# Allegro board BeagleBoard-X15_RevA2.brd (continued)
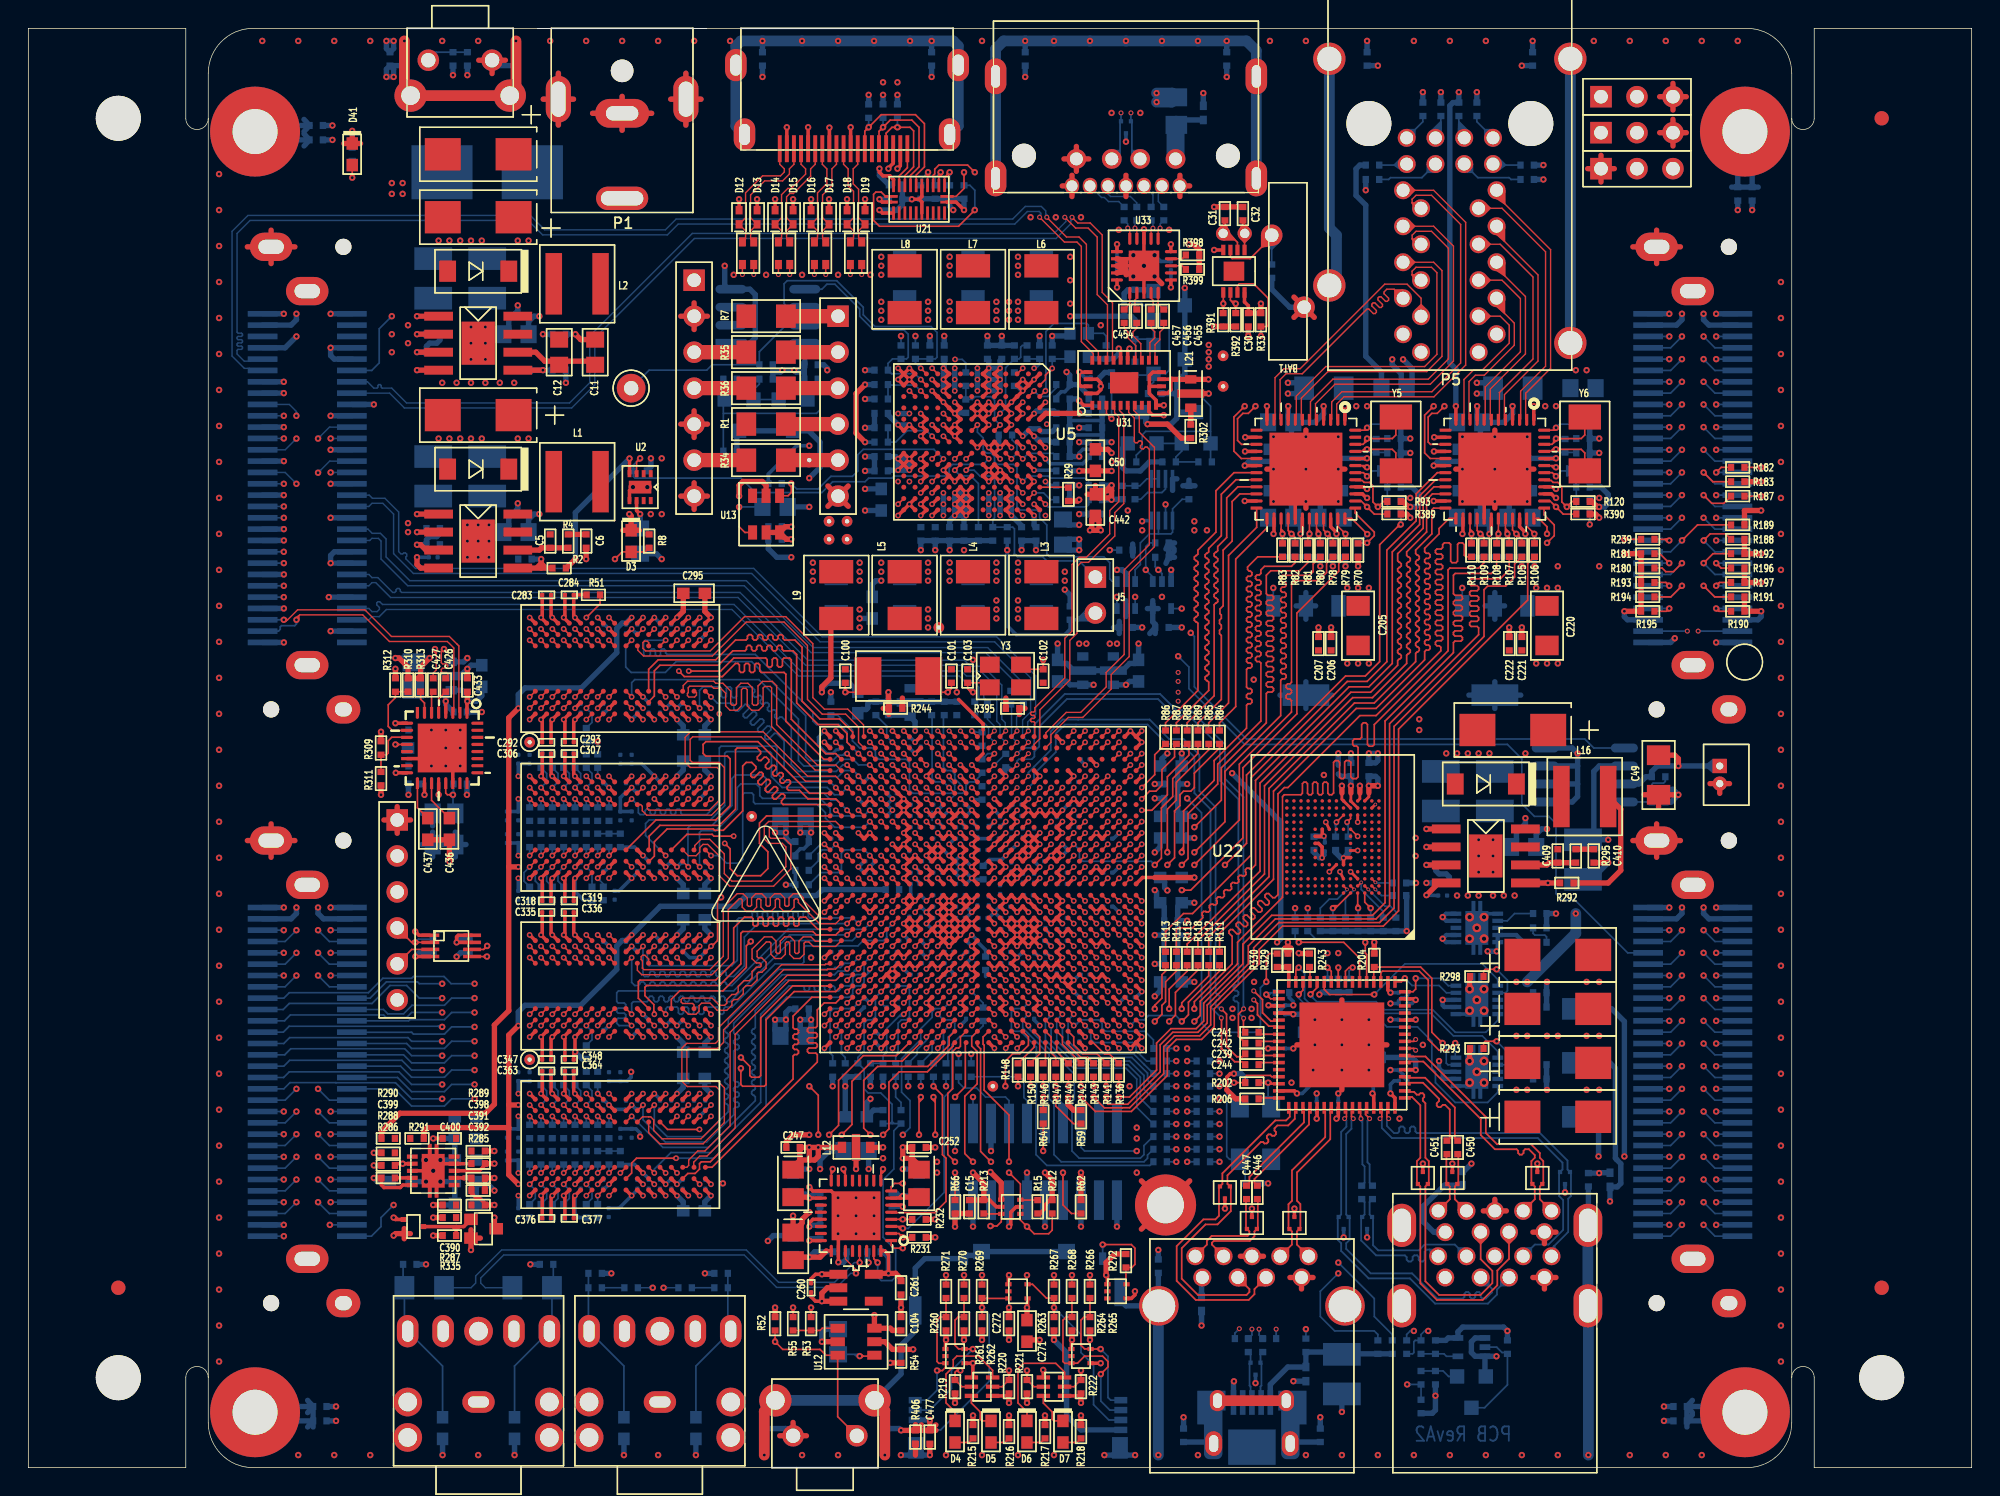
[diagram p0: board, top side]
## Routing (per net, layer and track width the routed paths; a pad name or vN(x,y) marks a point on that pad's centre or on a via; arc(x,y) is an arc through that point) (continued)
  SIG_L5 w0.094: v2(116.71,37.94) 117.57,37.08 119.38,37.08 120.14,36.32 120.14,17.02 119.38,16.26 112.14,16.26 106.81,10.92 103,10.92 98.93,6.86 77.85,6.86 77.09,6.1 55.5,6.1 v2(52.7,8.89)
  BOTTOM w0.12: P18.34 115.91,37.14 v2(116.71,37.94)
RHDMI_TX0+: length 39.1
  TOP w0.102: FL3.4 v3(55.48,84.22)
  TOP w0.12: U11.AH17 v3(64.99,52.01)
  INT_L3 w0.094: v3(64.99,52.01) 64.99,53.5 59.42,59.07 59.42,78.25 59.26,78.41 59.15,78.41 59.01,78.27 58.89,78.27 58.81,78.35 58.81,78.47 58.95,78.61 58.95,78.72 58.86,78.8 58.75,78.8 58.61,78.67 58.49,78.67 58.41,78.75 58.41,78.87 58.55,79 58.55,79.12 57.93,79.74 56.86,79.74 55.68,80.91 55.68,84.02 v3(55.48,84.22)
RHDMI_TX0-: length 39
  TOP w0.102: FL3.1 v3(56.28,84.22)
  TOP w0.12: U11.AG17 v3(64.99,51.21)
  INT_L3 w0.094: v3(56.28,84.22) 56.08,84.02 56.08,81.08 57.02,80.14 58.09,80.14 59.82,78.41 59.82,59.24 65.38,53.67 65.38,51.6 v3(64.99,51.21)
RHDMI_TX1+: length 39.8
  TOP w0.102: FL2.4 v3(52.94,84.22)
  TOP w0.12: U11.AH18 v3(64.19,52.01)
  INT_L3 w0.094: v3(64.19,52.01) 64.19,53.11 59.65,57.64 59.07,57.64 54.34,62.37 54.34,76.31 54.86,76.83 54.86,78.36 54.21,79.01 54.21,82.13 54.05,82.29 53.94,82.29 53.83,82.18 53.71,82.18 53.63,82.26 53.63,82.38 53.74,82.49 53.74,82.6 53.66,82.69 53.54,82.69 53.43,82.58 53.31,82.58 53.23,82.66 53.23,82.78 53.34,82.89 53.34,83 53.14,83.2 53.14,84.02 v3(52.94,84.22)
RHDMI_TX1-: length 39.9
  TOP w0.102: FL2.1 v3(53.74,84.22)
  TOP w0.12: U11.AG18 v3(64.19,51.21)
  INT_L3 w0.094: v3(64.19,51.21) 64.59,51.6 64.59,53.27 59.82,58.04 59.24,58.04 54.74,62.54 54.74,76.14 55.26,76.67 55.26,78.52 54.61,79.18 54.61,82.3 53.54,83.36 53.54,84.02 v3(53.74,84.22)
RHDMI_TX2+: length 40.2
  TOP w0.102: FL1.4 v3(50.4,84.22)
  TOP w0.12: U11.AH19 v3(63.39,52.01)
  INT_L3 w0.094: v3(50.4,84.22) 50.6,84.02 50.6,82.44 51.31,81.73 51.31,81.62 51.2,81.51 51.2,81.39 51.28,81.31 51.4,81.31 51.51,81.42 51.62,81.42 51.71,81.33 51.71,81.22 51.6,81.11 51.6,80.99 51.68,80.91 51.8,80.91 51.91,81.02 52.02,81.02 52.18,80.86 52.18,63.08 59.18,56.08 59.87,56.08 63.39,52.56 v3(63.39,52.01)
RHDMI_TX2-: length 40.2
  TOP w0.102: FL1.1 v3(51.2,84.22)
  TOP w0.12: U11.AG19 v3(63.39,51.21)
  INT_L3 w0.094: v3(51.2,84.22) 51,84.02 51,82.6 52.58,81.03 52.58,63.25 59.34,56.48 60.03,56.48 63.78,52.73 63.78,52.01 63.79,52.01 63.79,51.6 v3(63.39,51.21)
RHDMI_TXC+: length 37.6
  TOP w0.102: FL4.4 v3(58.02,84.22)
  TOP w0.12: U11.AH16 v3(65.79,52.01)
  INT_L3 w0.094: v3(65.79,52.01) 65.81,52.03 65.81,54.97 60.56,60.22 60.56,79.46 60.39,79.64 60.27,79.64 60.16,79.53 60.04,79.53 59.96,79.61 59.96,79.73 60.07,79.84 60.07,79.95 59.99,80.04 59.87,80.04 59.76,79.93 59.64,79.93 59.56,80.01 59.56,80.13 59.67,80.24 59.67,80.35 58.22,81.8 58.22,84.01 v3(58.02,84.22)
RHDMI_TXC-: length 37.7
  TOP w0.102: FL4.1 v3(58.82,84.22)
  TOP w0.12: U11.AG16 v3(65.79,51.21)
  INT_L3 w0.094: v3(65.79,51.21) 66.21,51.63 66.21,55.13 60.96,60.38 60.96,79.63 58.62,81.97 58.62,84.02 v3(58.82,84.22)
RIGHT_IN: length 11.2
  BOTTOM w0.12: D11.2 42.04,7.18 P9.3 39.53,9.68 C256.2 R234.1
RIGHT_OUT: length 11.9
  BOTTOM w0.12: D9.2 29.24,7.18 P8.3 26.54,9.87 C251.2 26.45,12.79 R228.1
RSTOUTN: length 288.3
  TOP w0.12: U11.F23 v1(60.19,33.61) ; U18.31 59.67,14.75 v2(59.94,14.48) ; U22.K5 93.33,45.06 v1(93.83,44.57) ; U7.12 v2(25.91,51.05)
  INT_L3 w0.094: v2(25.91,51.05) 25.91,51.82 25.15,52.58 25.15,79.5 v2(25.65,80.01)
  SIG_L5 w0.094: v1(93.83,44.57) 93.07,43.81 89.53,43.81 86.61,40.89 81.92,40.89 81.64,41.17 79.27,41.17 78.92,40.82 78.25,40.82 78.1,40.67 77.6,40.67 77.31,40.39 76.83,40.39 76.61,40.16 76.61,39.85 76.34,39.58 76.03,39.58 75.81,39.36 75.81,39.05 75.54,38.78 75.23,38.78 75.01,38.56 75.01,38.25 74.74,37.98 74.43,37.98 74.21,37.76 74.21,37.49 73.94,37.23 73.68,37.23 73.41,36.96 73.41,36.69 73.14,36.43 72.88,36.43 72.61,36.16 72.61,35.89 72.34,35.63 72.08,35.63 71.81,35.36 71.81,35.09 71.51,34.8 60.82,34.8 60.56,34.54 60.56,34.25 60.19,33.87 v1(60.19,33.61) 59.74,33.16 59.74,31.86 59.44,31.56 58.35,31.56 58.14,31.34 58.14,31.06 57.93,30.85 57.65,30.85 57.4,30.61 57.4,29.97 56.01,28.57 54.23,28.57 51.31,25.65 51.31,20.83 48.13,17.65 34.67,17.65 33.53,18.8 33.53,24.26 33.91,24.64 33.91,30.35 31.62,32.64 27.3,32.64 26.8,32.13 19.56,32.13 17.4,34.29 17.4,41.53 19.81,43.94 19.81,44.95 v2(25.91,51.05)
  SIG_L10 w0.094: v2(25.65,80.01) 27.3,81.66 32.13,81.66 33.4,80.39 58.55,80.39 60.33,78.61 65.02,78.61 v1(65.41,78.23) 65.91,78.74 65.91,80.52 68.07,82.68 73.91,82.68 75.06,81.53 75.06,74.55 75.97,73.64 77.24,73.64 80.26,70.61 v2(80.26,68) ; v1(93.83,44.57) 97.29,44.57 99.19,42.67 103.38,42.67 108.11,37.94 v2(115.82,37.94)
  BOTTOM w0.12: R318.1 66.17,77.98 65.91,78.23 v1(65.41,78.23) ; v1(60.19,33.61) 59.79,33.21 59.79,31.84 59.55,31.61 59.22,31.61 58.99,31.37 58.99,29.4 58.55,28.96 R43.1 58.56,28.54 58.99,28.11 58.99,26.73 59.27,26.45 60.16,26.45 60.96,25.65 60.96,24.29 ; 60.96,24.29 R40.1 61.09,23.78 61.09,21.08 60.33,20.32 60.33,16.26 61.21,15.37 61.21,13.46 60.96,13.21 60.2,13.21 59.94,13.46 v2(59.94,14.48) ; 60.96,24.29 R38.1 ; P18.33 v2(115.82,37.94) ; U34.2 80.26,66.86 v2(80.26,68)
RTC_ISO: length 1.6
  TOP w0.12: U11.AF14 v1(68.19,50.41)
  BOTTOM w0.12: R57.2 67.71,50.41 v1(68.19,50.41)
RTC_X1: length 2.1
  TOP w0.12: C32.1 85.72,87.25 Y1.2 85.84,87.11 U6.1
RTC_X2: length 2.8
  TOP w0.12: U6.2 85.34,86.49 84.71,87.12 Y1.1 84.45,87.25 C31.1
RTCK: length 6.9
  BOTTOM w0.12: 70.48,24.3 70.48,25.91 70.27,26.13 70.27,27.27 69.94,27.59 R63.2
RTCKR: length 6.6
  TOP w0.12: U11.E18 v1(64.19,32.81)
  SIG_L10 w0.094: v1(64.19,32.81) 64.61,32.38 65.9,32.38 66.17,32.12 66.17,30.35 66.55,29.97 v2(66.55,29.21)
  BOTTOM w0.12: R63.1 v2(66.55,29.21)
RXN_MUXC: length 2.9
  TOP w0.102: C456.1 79.25,80.43 79.5,80.18 79.5,79.76 79.17,79.42 79.17,78.24 U31.16
RXP_MUXC: length 2.9
  TOP w0.102: C455.1 80.14,80.43 79.86,80.15 79.86,79.61 79.52,79.27 79.52,78.24 U31.15
SAT_RXN: length 28.6
  TOP w0.102: U31.6 77.66,74.92 77.66,74.49 78.06,74.09 78.06,72.44 78.15,72.35 78.27,72.35 78.4,72.47 78.53,72.47 78.62,72.39 78.62,72.26 78.49,72.13 78.49,72.01 78.58,71.92 78.71,71.92 78.83,72.04 78.96,72.04 79.12,71.88 79.12,65.15 77.34,63.37 77.34,57.4 76.07,56.13 76.07,55.11 74.27,53.31 73.26,53.31 71.82,51.88 71.82,51.64 U11.AH9
SAT_RXP: length 28.6
  TOP w0.102: U31.7 78.02,74.91 78.02,74.63 78.41,74.23 78.41,73.09 79.48,72.03 79.48,65 77.7,63.23 77.7,57.25 76.43,55.98 76.43,54.97 74.42,52.96 73.41,52.96 72.18,51.73 72.18,51.2 U11.AG9
SAT_TXN: length 27.3
  TOP w0.102: 77.09,74.99 77.02,74.92 77.02,74.62 77.32,74.32 77.32,68.05 76.68,67.42 76.68,65.77 74.82,63.91 74.32,63.91 74.02,63.61 74.02,58.9 73.51,58.39 73.51,55.6 71.4,53.49 71.4,51.46 70.99,51.05 U11.AG10
SAT_TXP: length 27.2
  TOP w0.102: U11.AH10 71.04,51.66 71.04,52.59 70.97,52.65 70.81,52.65 70.74,52.72 70.74,52.82 70.81,52.88 70.97,52.88 71.04,52.95 71.04,53.04 70.97,53.11 70.81,53.11 70.74,53.18 70.74,53.27 70.81,53.34 70.97,53.34 71.04,53.41 71.04,53.64 73.15,55.75 73.15,58.54 73.66,59.05 73.66,63.75 74.17,64.26 74.68,64.26 76.33,65.91 76.33,67.56 76.96,68.2 76.96,74.17 76.67,74.47 76.67,74.92 U31.4
SATA_SEL: length 68.6
  TOP w0.12: v2(76.45,74.04) 76.09,74.4 U31.3
  SIG_L10 w0.094: v2(25.65,81.28) 26.16,81.28 27.56,82.68 54.86,82.68 55.25,83.06 74.42,83.06 76.45,81.03 v2(76.45,74.04)
  BOTTOM w0.12: R303.2 v2(76.45,74.04) ; P19.6 24.24,77.45 24.77,77.98 24.77,80.39 v2(25.65,81.28)
SCL_HUB: length 7.3
  TOP w0.12: U17.38 93.96,35.96 92.84,37.08 v2(89.66,37.08)
  BOTTOM w0.12: v2(89.66,37.08) 89.41,37.34 R393.2
SDA_HUB: length 7.2
  TOP w0.12: U17.37 94.46,36.22 94.36,36.32 v2(94.36,37.08)
  BOTTOM w0.12: R394.2 90.84,37.34 94.11,37.34 v2(94.36,37.08)
SERDES_CLKN: length 47
  TOP w0.102: C426.2 29.59,55.85 29.59,56.03 29.49,56.13 29.21,56.13 29.15,56.2 29.15,56.34 29.24,56.43 29.5,56.43 29.59,56.52 29.59,56.65 29.5,56.74 29.24,56.74 29.15,56.82 29.15,57.59 v2(29.34,57.78)
  TOP w0.12: U11.AH15 v1(66.59,52.01)
  SIG_L10 w0.094: v2(29.34,57.78) 29.34,57.78 30.04,57.78 33.11,60.85 49.82,60.85 51.74,58.93 59.31,58.93 64.64,53.59 65.46,53.59 66.59,52.47 v1(66.59,52.01)
  BOTTOM w0.12: R308.1 66.68,51.91 v1(66.59,52.01)
SERDES_CLKP: length 47.1
  TOP w0.102: v2(28.7,57.78) 28.79,57.7 28.79,56.31 28.58,56.09 C427.2
  TOP w0.12: U11.AG15 v1(66.59,51.21)
  SIG_L10 w0.094: v1(66.59,51.21) 66.19,51.6 66.19,52.3 65.3,53.2 64.48,53.2 59.14,58.53 51.58,58.53 49.66,60.45 33.27,60.45 30.2,57.38 29.1,57.38 v2(28.7,57.78)
  BOTTOM w0.12: R308.2 66.83,50.96 v1(66.59,51.21)
SERDES_IN_REFN: length 1.7
  TOP w0.12: C426.1 28.96,54.27 U7.5
SERDES_IN_REFP: length 1.5
  TOP w0.12: C427.1 28.46,54.65 U7.6
SMPS6: length 7.7
  TOP w1.016: R36.1 P2.4
  SIG_L5 w0.381: 46.27,75.48 P2.4 ; P2.4 47.71,76.92 ; P2.4 47.71,75.48 ; P2.4 46.27,76.92
  vias: v2(60.2,85.47) v2(60.2,84.84) v2(60.2,84.2)
SMPS_1_2: length 7.7
  TOP w1.016: R34.1 P2.6
  SIG_L8 w0.381: P2.6 47.71,70.4 ; P2.6 46.27,70.4 ; P2.6 47.71,71.84 ; P2.6 46.27,71.84
  vias: v2(68.33,61.21) v2(68.33,60.58) v2(68.33,59.94) v2(69.85,61.21) v2(69.85,60.58) v2(69.85,59.94)
SMPS_4/5: length 7.7
  TOP w1.016: P2.3 R35.1
  SIG_L8 w0.381: 46.27,79.46 P2.3 ; P2.3 47.71,78.02 ; P2.3 47.71,79.46 ; P2.3 46.27,78.02
  vias: v2(65.02,85.47) v2(65.02,84.84) v2(65.02,84.2) v2(69.85,85.47) v2(69.85,84.84) v2(69.85,84.2)
SS_SUSPEND: length 1.1
  TOP w0.12: U17.45 90.46,35.3 R243.2
SW1: length 1.6
  BOTTOM w0.381: v1(68.59,68.81) v1(68.59,68.01) v1(68.59,67.21)
  vias: v2(69.85,63.88) v2(69.85,63.25) v2(69.85,62.61)
SW2: length 1.6
  BOTTOM w0.381: v1(67.79,67.21) v1(67.79,68.01) v1(67.79,68.81)
  vias: v2(68.33,63.88) v2(68.33,63.25) v2(68.33,62.61)
SW3: length 1.6
  BOTTOM w0.381: v1(64.59,68.81) v1(64.59,68.01) v1(64.59,67.21)
  vias: v2(63.5,63.88) v2(63.5,63.25) v2(63.5,62.61)
SW4: length 1.6
  BOTTOM w0.381: v1(66.99,76.01) v1(66.99,76.81) v1(66.99,77.61)
  vias: v2(69.22,81.66) v2(69.22,81.03) v2(69.85,81.66) v2(69.85,81.03)
SW5: length 1.6
  BOTTOM w0.381: v1(65.39,77.61) v1(65.39,76.81) v1(65.39,76.01)
  vias: v2(65.02,82.3) v2(65.02,81.66) v2(65.02,81.03)
SW6: length 0.8
  BOTTOM w0.381: v1(62.19,74.41) v1(61.39,74.41)
  vias: v2(60.2,82.3) v2(60.2,81.66) v2(60.2,81.03)
SW9:
  vias: v1(61.39,69.61) v1(62.19,69.61) v2(58.67,63.88) v2(58.67,63.25) v2(58.67,62.61)
TCK: length 16
  TOP w0.12: R64.1 v2(71.63,26.16) ; U11.E20 v1(62.59,32.81)
  SIG_L10 w0.094: v2(71.63,26.16) 71.63,26.29 71.23,26.69 71.23,27.45 70.23,28.45 68.33,28.45 66.93,29.84 66.93,31.05 66.94,31.06 66.94,32.96 66.68,33.23 63.25,33.23 62.82,32.81 v1(62.59,32.81)
TCLK: length 3.9
  TOP w0.12: R64.2 v2(71.63,22.35)
  BOTTOM w0.12: v2(71.63,22.35) 71.63,24.17 P4.11
TDI: length 11.9
  TOP w0.12: U11.D23 v1(60.19,32.01)
  SIG_L8 w0.094: v2(66.68,26.16) 64.39,28.45 62.87,28.45 61.41,29.9 61.41,30.54 60.19,31.76 v1(60.19,32.01)
  BOTTOM w0.12: P4.3 v2(66.68,26.16)
TDO: length 6.1
  BOTTOM w0.12: P4.7 69.22,25.91 68.96,26.16 67.56,26.16 66.93,26.8 66.04,26.8 65.66,27.18 R61.2
TDOR: length 6.8
  TOP w0.12: U11.F19 v1(63.39,33.61)
  GND_L9 w0.094: v1(63.39,33.61) 63.76,33.23 63.76,32.63 64.01,32.38 64.39,32.38 64.63,32.14 64.63,30.23 v2(65.66,29.21)
  BOTTOM w0.12: R61.1 v2(65.66,29.21)
TESTV: length 5.2
  TOP w0.12: v1(61.39,68.01) U5.N12
  SIG_L10 w0.094: v1(61.39,68.01) 58.91,65.53 TP9.1
TIMER1: length 71.9
  TOP w0.12: U11.E21 v1(61.79,32.81)
  SIG_L5 w0.094: v1(61.79,32.81) 62.14,32.45 62.14,30.13 61.04,29.03 59.51,29.03 58.04,27.56 54.74,27.56 52.32,25.15 52.32,20.32 48.64,16.64 32.64,16.64 32,17.27 32,24.26 32.92,25.18 32.92,29.31 31.62,30.61 29.72,30.61 v2(29.21,31.11)
  BOTTOM w0.12: P17.42 17.99,30.74 18.42,31.16 29.16,31.16 v2(29.21,31.11)
TIMER2: length 67.1
  TOP w0.12: U11.F20 v1(62.59,33.61)
  SIG_L5 w0.094: v2(31.5,30.1) 32.7,28.89 32.7,25.34 31.75,24.38 31.75,17.14 32.51,16.38 48.77,16.38 52.58,20.19 52.58,25.02 54.86,27.3 58.17,27.3 59.67,28.81 61.58,28.81 62.99,30.23 62.99,33.2 v1(62.59,33.61)
  BOTTOM w0.12: v2(31.5,30.1) 29.88,30.1 29.37,29.59 27.05,29.59 26.7,29.94 P17.13
TIMER3: length 65.4
  TOP w0.12: U11.F21 v1(61.79,33.61)
  SIG_L5 w0.094: v2(31.5,31.11) 33.15,29.46 33.15,25.02 32.26,24.13 32.26,17.4 32.77,16.89 48.51,16.89 52.07,20.45 52.07,25.27 54.61,27.81 57.91,27.81 59.35,29.25 60.33,29.25 60.63,29.56 60.63,30.92 61.34,31.62 61.34,33.16 v1(61.79,33.61)
  BOTTOM w0.12: P17.12 22.84,30.73 27.05,30.73 27.18,30.61 29.37,30.61 29.88,31.11 v2(31.5,31.11)
TMP102_ALERT: length 20.2
  TOP w0.12: R15.2 70.04,18.89 U4.3 70.02,20.03 v2(69.22,20.83) ; U11.G17 v1(64.99,34.41)
  GND_L9 w0.094: v2(69.22,20.83) 68.45,21.59 68.45,25.65 67.56,26.54 67.56,33.27 66.81,34.03 65.36,34.03 v1(64.99,34.41)
TMS: length 15.2
  TOP w0.12: U11.F18 v1(64.19,33.61)
  GND_L9 w0.094: v2(65.41,22.35) 66.17,23.11 66.17,29.84 65.41,30.61 65.41,32.88 65.06,33.23 64.56,33.23 v1(64.19,33.61)
  BOTTOM w0.12: P4.1 v2(65.41,22.35)
TPS_ENABLE1: length 14
  TOP w0.12: U5.J5 v1(64.59,74.41)
  SIG_L10 w0.094: TP7.1 58.29,68.58 59.56,68.58 60.2,69.22 60.2,73.03 61.2,74.03 64.21,74.03 v1(64.59,74.41)
TPS_PWRDOWN: length 9.4
  TOP w0.12: v1(63.79,71.21) U5.K8
  SIG_L10 w0.094: TP8.1 58.93,66.8 60.71,68.58 60.71,70.36 61.18,70.83 63.41,70.83 v1(63.79,71.21)
TPS_RST: length 3.2
  TOP w0.12: U12.1 56.04,9.84 55.88,9.69 R53.1 R55.2
TRSTN: length 16.9
  TOP w0.12: v2(65.41,20.83) R66.1 ; U11.D20 v1(62.59,32.01)
  GND_L9 w0.094: v2(65.41,20.83) 64.64,21.59 64.64,23.88 64.26,24.26 64.26,28.7 63.76,29.2 63.76,31.03 62.78,32.01 v1(62.59,32.01)
  BOTTOM w0.12: P4.2 v2(65.41,20.83)
TX1+: length 10.7
  BOTTOM w0.127: C449.2 94.31,18.75 94.31,17.87 D29.1 94.07,17.63 94.07,16.04 95.12,14.99 97.16,14.99 97.28,14.86 97.28,14.68 97.41,14.55 97.59,14.55 97.7,14.67 97.7,14.87 97.82,14.99 98.02,14.99 98.13,14.87 98.13,14.67 98.25,14.55 98.42,14.55 98.55,14.68 98.55,15.25 98.7,15.39 98.91,15.39 99.38,14.92 P15.9
TX1-: length 10.7
  BOTTOM w0.127: P15.8 100.68,15.75 98.55,15.75 98.15,15.34 95.27,15.34 94.91,15.7 94.91,17.63 D29.2 94.67,17.87 94.67,18.75 C448.2
TX2+: length 4.5
  TOP w0.127: P15.18 100.33,18.95 100.33,19.85 D31.1 100.09,20.09 100.09,22.09 C451.2
TX2-: length 4.5
  TOP w0.127: P15.17 100.68,18.95 100.68,19.85 D31.2 100.92,20.09 100.92,22.09 C450.2
TX+: length 7.2
  TOP w0.127: P13.9 83.18,15.75 83.18,16.02 83.52,16.36 86.06,16.36 86.18,16.48 86.18,16.67 85.94,16.92 85.94,18.92 C447.2
TX-: length 7.2
  TOP w0.127: P13.8 83.54,15.75 83.54,15.87 83.66,16 86.2,16 86.54,16.34 86.54,16.67 86.78,16.92 86.78,18.92 C446.2
TXN_MUXC: length 3
  TOP w0.102: U31.17 78.52,78.24 78.52,79.34 77.97,79.9 77.97,80.17 78.23,80.43 C457.1
TXP_MUXC: length 3
  TOP w0.102: C454.2 77.34,80.43 77.61,80.17 77.61,79.75 78.17,79.19 78.17,78.24 U31.18
U1-1: length 11.4
  TOP w0.381: U1.1 v2(27.43,67.31)
  INT_L3 w0.381: v2(27.43,67.31) 33.78,67.31 v2(34.54,68.07)
  BOTTOM w0.381: C1.2 33.91,66.42 33.91,67.06 34.54,67.69 v2(34.54,68.07)
U1-3: length 4.2
  TOP w0.381: v2(27.43,65.15) 27.69,65.15 28.07,64.77 U1.3
  BOTTOM w0.381: R3.2 29.05,65.94 28.83,65.72 28.32,65.72 28.1,65.5 R6.1 v2(27.43,65.15)
U1-4: length 3
  TOP w0.381: v2(27.43,64.26) 27.43,63.75 27.69,63.5 U1.4
  BOTTOM w0.254: v2(27.43,64.26) C4.1
U1-8: length 1.8
  BOTTOM w0.381: C1.1 35.31,66.93 35.69,67.31 v2(36.07,67.31)
U2-6: length 2.1
  TOP w0.254: U2.6 42.93,67.56 v2(43.18,67.31)
  BOTTOM w0.381: C10.1 v2(43.18,67.31)
U3-1: length 11.4
  TOP w0.381: U3.1 v2(27.43,81.28)
  INT_L3 w0.381: v2(27.43,81.28) 33.78,81.28 v2(34.54,82.04)
  BOTTOM w0.381: C7.2 33.91,80.39 33.91,81.03 34.54,81.66 v2(34.54,82.04)
U3-8: length 1.8
  BOTTOM w0.381: C7.1 35.31,80.9 35.69,81.28 v2(36.07,81.28)
U5_C8: length 3.2
  TOP w0.12: v1(70.19,71.21) U5.C8
  BOTTOM w0.12: C25.2 72.32,71.6 70.58,71.6 v1(70.19,71.21)
U13-4: length 4.2
  TOP w0.12: U13.4 50.57,66.01 50.16,66.42 v2(50.16,67.82)
  BOTTOM w0.12: v2(50.16,67.82) C112.1
U14_41: length 3.9
  TOP w0.12: U14.41 93.7,69.68 94.15,69.68 94.28,69.55 94.66,69.55 94.9,69.31 94.9,68.16 v2(95.25,67.82) 95.63,68.2 R93.1
U15_41: length 3.9
  TOP w0.12: U15.41 107.03,69.68 107.48,69.68 107.62,69.55 107.95,69.55 108.24,69.26 108.24,68.16 v2(108.59,67.82) 108.97,68.2 R120.1
U16_FB: length 4.3
  BOTTOM w0.12: R201.2 107.15,37.47 107.04,37.59 106.32,37.59 106.21,37.71 R203.1 U16.8
U17_A17: length 2.3
  TOP w0.12: U17.40 92.96,35.05 93.22,35.31 v2(93.47,35.31)
  BOTTOM w0.12: v2(93.47,35.31) 93.22,35.05 R207.2
U17_A41: length 1.9
  TOP w0.12: v2(91.69,35.31) 91.96,35.04 U17.42
  BOTTOM w0.12: R209.2 v2(91.69,35.31)
U28_1: length 11.2
  TOP w0.381: U28.1 v2(98.68,45.09)
  SIG_L5 w0.381: v2(98.68,45.09) 99.44,45.85 v2(105.66,45.85)
  BOTTOM w0.381: C401.2 105.03,44.2 105.03,44.83 105.66,45.47 v2(105.66,45.85)
U28_3: length 4
  TOP w0.381: v2(98.68,42.55) U28.3
  BOTTOM w0.381: R294.2 100.3,41.69 100.08,41.91 99.57,41.91 99.35,42.13 R297.1 v2(98.68,42.55)
U28_4: length 2.6
  TOP w0.381: U28.4 99.54,41.27 v2(98.68,40.41)
  BOTTOM w0.254: v2(98.68,40.41) C408.1
U28_6: length 3.6
  TOP w0.381: U28.6 107.19,42.55 107.35,42.71 C409.2 R295.1
U28_8: length 1.8
  BOTTOM w0.381: v2(107.19,45.09) 106.81,45.09 106.43,44.7 C401.1
U28_RC: length 1.3
  TOP w0.381: R295.2 C410.1
U29_7: length 3.9
  TOP w0.12: R293.2 102.71,29.98 102.83,30.1 v2(103.63,30.1)
  BOTTOM w0.12: U29.7 104.26,28.44 104.39,28.57 104.39,29.34 v2(103.63,30.1)
U30_7: length 3.9
  TOP w0.12: R298.1 102.71,35.06 102.83,35.18 v2(103.63,35.18)
  BOTTOM w0.12: v2(103.63,35.18) 104.39,34.42 104.39,33.66 104.26,33.52 U30.7
U31_1V8: length 11.4
  TOP w0.254: U31.26 75.44,76.83 75.69,76.58 v2(75.69,76.33) 75.69,76.08 75.44,75.83 U31.28 ; v2(80.14,74.3) 79.35,74.3 79.09,74.55 U31.9 ; v2(77.72,78.99) 77.59,78.86 U31.19 ; U31.11 80.39,75.83 80.65,76.08 80.65,76.83 80.64,76.83 U31.13
  TOP w0.381: 80.64,76.83 80.65,76.82 L21.1 v2(83.3,76.82)
  BOTTOM w0.254: C421.1 75.62,76.4 v2(75.69,76.33)
  BOTTOM w0.381: C421.1 75.97,77.31 R303.1
U31_VDD: length 1.2
  TOP w0.381: L21.3 R302.1
U32_ADJ: length 4.5
  BOTTOM w0.12: U32.4 C443.1 R397.1 114.59,48.23 114.68,48.32 115.42,48.32 115.54,48.44 R396.2
UART1_RXD: length 83.8
  TOP w0.12: U11.C26 v1(57.79,31.21)
  SIG_L10 w0.094: v2(116.71,17.14) 112.39,12.82 112.39,10.29 110.74,8.64 78.63,8.64 76.45,10.82 76.45,20.57 73.91,23.11 70.87,23.11 65.15,28.83 65.15,30.51 64.56,31.09 64.56,31.45 64.39,31.62 58.2,31.62 v1(57.79,31.21)
  BOTTOM w0.12: v2(116.71,17.14) 116.71,17.14 115.91,16.34 P18.60
UART1_TXD: length 85.8
  TOP w0.12: U11.B27 v1(56.99,30.41)
  SIG_L10 w0.094: v2(118.24,17.14) 117.61,16.51 116.59,16.51 112.78,12.7 112.78,10.16 110.87,8.26 78.36,8.26 75.44,11.18 75.44,20.83 73.41,22.86 70.74,22.86 64.9,28.7 64.9,30.19 64.26,30.83 57.41,30.83 v1(56.99,30.41)
  BOTTOM w0.12: v2(118.24,17.14) 118.24,17.14 119.04,16.34 P18.30
UART3_RXD: length 42.2
  TOP w0.12: v2(32.39,36.83) 32.14,36.58 U20.6 ; U11.D27 v1(56.99,32.01)
  SIG_L5 w0.094: v1(56.99,32.01) 56.61,32.38 51.94,32.38 46.99,27.43 41.28,27.43 40.53,26.69 40.53,24.53 40.26,24.26 35.31,24.26 34.93,24.63 34.93,28.06 34.67,28.32 34.67,29.21 34.93,29.47 34.93,32.12 34.54,32.51 34.54,34.67 v2(32.39,36.83)
UART3_TXD: length 40.3
  TOP w0.12: U11.C28 v1(56.19,31.21) ; U20.5 v2(32.37,36.08)
  SIG_L5 w0.094: v1(56.19,31.21) 51.53,31.21 47.24,26.92 42.29,26.92 41.4,26.04 41.4,24.51 40.64,23.75 34.92,23.75 34.16,24.51 34.16,34.29 v2(32.37,36.08)
UART8_CTSN: length 69.1
  TOP w0.12: U11.G16 v1(65.79,34.41)
  SIG_L5 w0.094: v2(31.5,32.13) 33.66,29.97 33.66,24.77 33.3,24.41 33.3,18.52 34.42,17.4 48.26,17.4 51.56,20.7 51.56,25.53 54.36,28.32 57.4,28.32 58.17,29.08 58.17,30.48 58.44,30.76 59.44,30.76 59.74,31.06 59.74,31.42 59.94,31.62 60.33,31.62 60.58,31.88 60.58,33.78 60.82,34.03 65.41,34.03 v1(65.79,34.41)
  BOTTOM w0.12: P17.11 26.84,31.54 26.92,31.62 29.37,31.62 29.88,32.13 v2(31.5,32.13)
UART8_RTSN: length 67.8
  TOP w0.12: U11.D17 v1(64.99,32.01)
  SIG_L5 w0.094: v1(64.99,32.01) 64.56,31.58 64.56,29.38 64.01,28.83 62.36,28.83 61.85,28.32 59.94,28.32 58.8,27.18 58.8,26.42 58.01,25.62 54.32,25.62 53.09,24.38 53.09,19.94 49.02,15.88 32.26,15.88 31.24,16.89 31.24,24.64 32.26,25.65 32.26,28.32 v2(31.5,29.08)
  BOTTOM w0.12: P17.14 26.49,29.14 27.05,28.57 29.37,28.57 29.88,29.08 v2(31.5,29.08)
UART8_RXD: length 72.6
  TOP w0.12: U11.C18 v1(64.19,31.21)
  SIG_L5 w0.094: v1(64.19,31.21) 63.83,30.85 63.83,29.54 63.37,29.08 62.23,29.08 61.72,28.57 59.82,28.57 58.55,27.3 58.55,26.54 57.85,25.84 54.23,25.84 52.83,24.44 52.83,20.07 48.89,16.13 32.39,16.13 31.5,17.02 31.5,24.51 32.48,25.5 32.48,28.73 31.62,29.59 29.72,29.59 v2(29.21,30.1)
  BOTTOM w0.12: P17.43 18.03,29.94 18.44,30.36 26.79,30.36 27.05,30.1 v2(29.21,30.1)
UART8_TXD: length 55.3
  TOP w0.12: v2(56.52,23.5) 57.18,24.16 57.18,27.34 58.93,29.08 61.26,29.08 U11.A21
  SIG_L10 w0.094: v2(56.52,23.5) 56.11,23.9 54.76,23.9 54.1,23.24 54.1,18.54 50.29,14.73 25.34,14.73 v2(21.34,18.74)
  BOTTOM w0.12: P17.27 v2(21.34,18.74)
UART9_CTSN: length 98.3
  TOP w0.12: U11.AB3 v1(76.99,47.21)
  SIG_L5 w0.094: v2(29.21,33.15) 31.24,35.18 31.24,43.56 33.53,45.85 33.53,59.56 36.45,62.48 48.01,62.48 52.2,58.29 52.2,55.88 55.12,52.96 69.6,52.96 70.16,52.39 70.16,47.09 70.43,46.83 76.61,46.83 v1(76.99,47.21)
  BOTTOM w0.12: P17.40 17.99,32.34 18.42,32.77 24.26,32.77 25.53,34.04 26.7,34.04 27.59,33.15 v2(29.21,33.15)
UART9_RTSN: length 98
  TOP w0.12: U11.AA4 v1(76.19,46.41)
  SIG_L5 w0.094: v1(76.19,46.41) 76,46.41 75.57,45.98 69.68,45.98 69.36,46.29 69.36,52.3 68.96,52.7 54.99,52.7 51.82,55.88 51.82,58.29 47.88,62.23 36.58,62.23 33.78,59.44 33.78,45.72 31.5,43.43 v2(31.5,34.16)
  BOTTOM w0.12: v2(31.5,34.16) 29.84,34.16 29.34,34.67 27.18,34.67 27.05,34.54 25.02,34.54 24,33.53 18.42,33.53 18.03,33.14 P17.39
UART9_RXD: length 94.1
  TOP w0.12: U11.AA3 v1(76.99,46.41)
  SIG_L5 w0.094: v1(76.99,46.41) 76.76,46.41 76.34,45.98 76.03,45.98 75.77,45.72 75.31,45.72 74.8,45.21 68.83,45.21 68.58,45.47 68.58,52.2 68.33,52.45 54.81,52.45 51.31,55.96 51.31,58.42 47.75,61.98 36.7,61.98 34.04,59.31 34.04,45.59 31.75,43.31 31.75,34.8 32,34.54 32,33.66 v2(31.5,33.15)
  BOTTOM w0.12: v2(31.5,33.15) 29.88,33.15 29.37,32.64 27.08,32.64 26.48,32.03 25.37,32.03 25.06,32.34 P17.10
UART9_TXD: length 85.2
  TOP w0.12: U11.AB9 v1(72.19,47.21)
  SIG_L5 w0.094: v2(29.21,34.16) 30.99,35.94 30.99,43.69 33.27,45.97 33.27,59.69 36.32,62.74 48.13,62.74 52.58,58.29 52.58,55.88 55.25,53.21 69.98,53.21 70.87,52.32 70.87,49.4 70.99,49.28 70.99,47.86 71.23,47.62 71.5,47.62 71.92,47.21 v1(72.19,47.21)
  BOTTOM w0.12: P17.9 24.12,33.14 25.27,34.29 27.47,34.29 27.59,34.16 v2(29.21,34.16)
UART10_CTSN: length 46
  TOP w0.12: U11.D2 v1(77.79,32.01)
  SIG_L5 w0.094: v1(77.79,32.01) 78.21,31.58 78.21,31.01 78.44,30.78 78.74,30.78 79.3,30.23 85.85,30.23 87,29.08 98.04,29.08 98.42,29.46 116.05,29.46 116.22,29.63 116.22,30.12 116.59,30.48 118.59,30.48 v2(119.13,29.94)
  BOTTOM w0.12: P18.13 v2(119.13,29.94)
UART10_RTSN: length 48.8
  TOP w0.12: U11.F4 v1(76.19,33.61)
  SIG_L5 w0.094: v2(118.24,34.74) 117.28,33.78 109.35,33.78 106.3,36.83 97.92,36.83 97.79,36.7 84.07,36.7 83.75,36.38 78.42,36.38 78.16,36.13 78.16,35.85 77.94,35.63 77.66,35.63 77.36,35.33 77.36,34.95 76.19,33.77 v1(76.19,33.61)
  BOTTOM w0.12: v2(118.24,34.74) 118.24,34.74 119.04,33.94 P18.8
UART10_RXD: length 44.3
  TOP w0.12: U11.D1 v1(78.59,32.01)
  SIG_L5 w0.094: v2(118.24,31.54) 117.69,30.99 116.71,30.99 116.33,30.61 114.17,30.61 113.52,31.26 99.72,31.26 99.31,30.86 79.57,30.86 79.1,31.33 79.1,31.49 v1(78.59,32.01)
  BOTTOM w0.12: P18.12 119.04,30.74 v2(118.24,31.54)
UART10_TXD: length 43.7
  TOP w0.12: U11.E2 v1(77.79,32.81)
  SIG_L5 w0.094: v1(77.79,32.81) 78.21,32.38 78.87,32.38 79.35,31.9 82.91,31.9 83.69,31.11 99.19,31.11 99.57,31.5 113.79,31.5 114.43,30.86 116.21,30.86 116.71,31.37 v2(116.71,31.54)
  BOTTOM w0.12: v2(116.71,31.54) 115.91,30.74 P18.42
USB1_DM: length 48.4
  TOP w0.127: 88.27,31.09 88.24,31.11 88.22,31.11 88.17,31.17 87.55,31.17 86.75,31.97 86.75,32.75 v3(86.49,33.02) ; U11.AC12 v3(69.79,48.01)
  INT_L3 w0.114: v3(81.15,55.5) 82.93,55.5 85.34,53.09 85.34,34.28 86.49,33.13 v3(86.49,33.02)
  SIG_L10 w0.114: v3(69.79,48.01) 70.17,48.39 70.17,53.66 73.83,57.32 78.96,57.32 80.64,55.63 81.02,55.63 v3(81.15,55.5)
USB1_DP: length 48.5
  TOP w0.127: U11.AD12 v3(69.79,48.81) ; v3(86.49,33.66) 87.11,33.03 87.11,32.11 87.7,31.52 88.19,31.52 88.27,31.6
  INT_L3 w0.114: v3(81.15,56.13) 81.42,55.87 83.08,55.87 85.71,53.24 85.71,34.43 v3(86.49,33.66)
  SIG_L10 w0.114: v3(69.79,48.81) 69.42,49.17 69.42,52.15 69.81,52.53 69.81,53.82 73.67,57.68 79.11,57.68 79.32,57.47 80.79,56 81.02,56 v3(81.15,56.13)
USB1_DRVBUS_R: length 39.3
  TOP w0.12: U11.AB10 v1(71.39,47.21) ; v2(87.38,34.29) 87.38,36.07 87.6,36.29 R330.1
  GND_L9 w0.094: v2(81.79,47.24) 81.28,47.75 79.5,47.75 78.87,48.39 78.3,48.39 77.54,47.62 76.84,47.62 76.63,47.42 76.63,47.16 76.33,46.85 71.74,46.85 v1(71.39,47.21)
  BOTTOM w0.12: v2(81.79,47.24) 82.8,46.23 82.8,31.37 83.44,30.73 86.61,30.73 86.96,31.08 86.96,33.87 v2(87.38,34.29)
USB1_DRVVBUS: length 1.8
  TOP w0.254: R329.2 88.96,35.28 U17.48
  TOP w0.381: R330.2 R329.2
USB1_ID: length 3.5
  TOP w0.12: U11.C27 v1(56.99,31.21)
  BOTTOM w0.12: R205.1 57.66,28.96 57.39,29.23 57.39,30.81 v1(56.99,31.21)
